# Altium PCB MainBoard.PcbDoc (part 1 of 2)
Units mm, origin at the board's own origin, x right, y up, seen from the top; angles counter-clockwise.
Board outline 160 x 80 mm, 2 copper layers (Top Layer, Bottom Layer); 152 components, 133 nets, 507 pads, 88 vias.
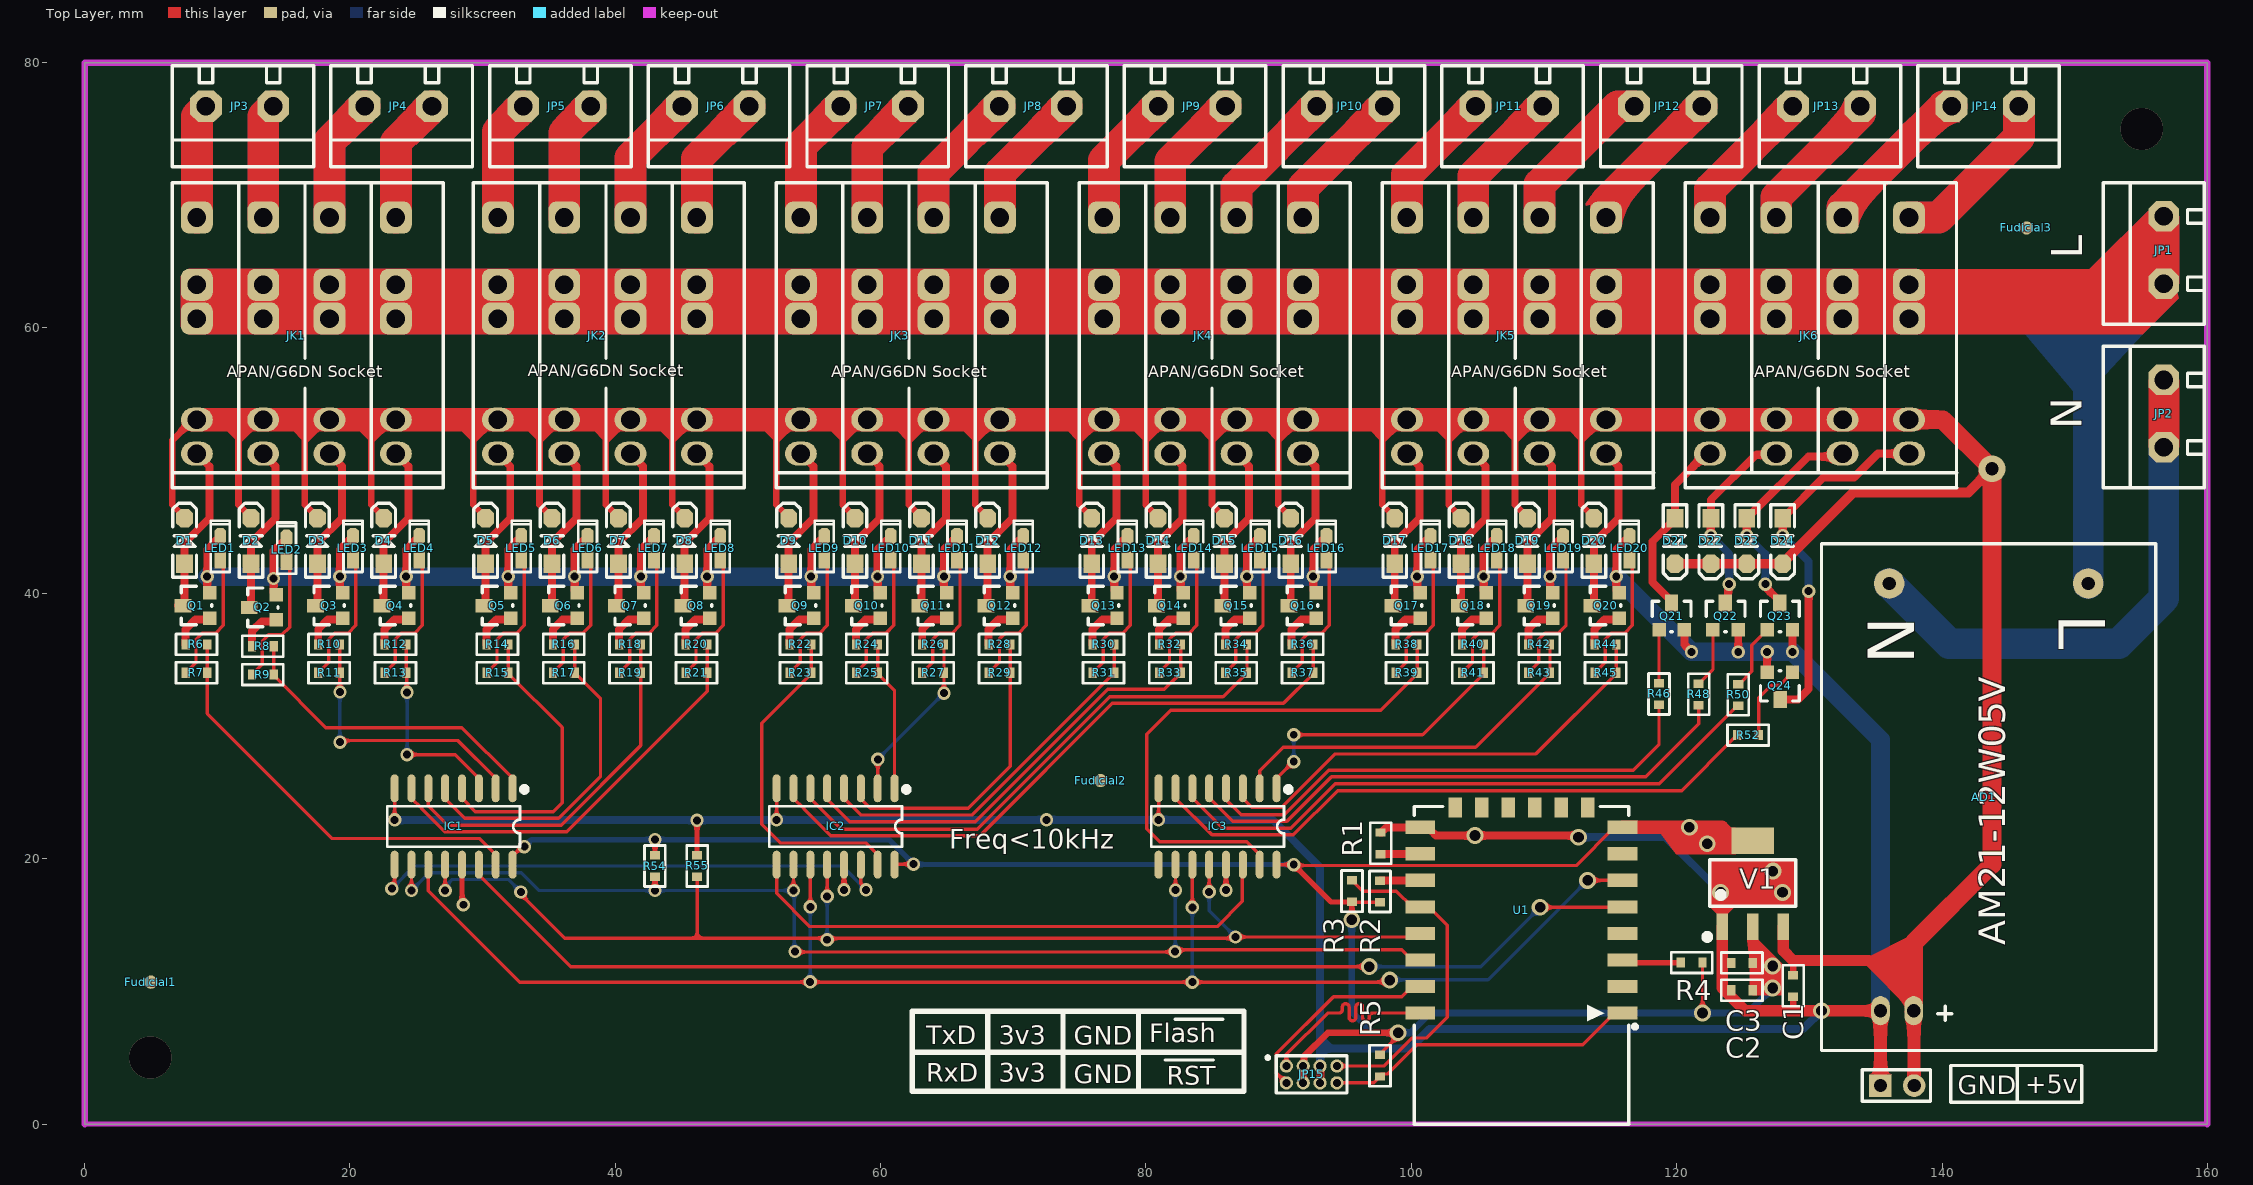
[diagram p0: Top Layer view]
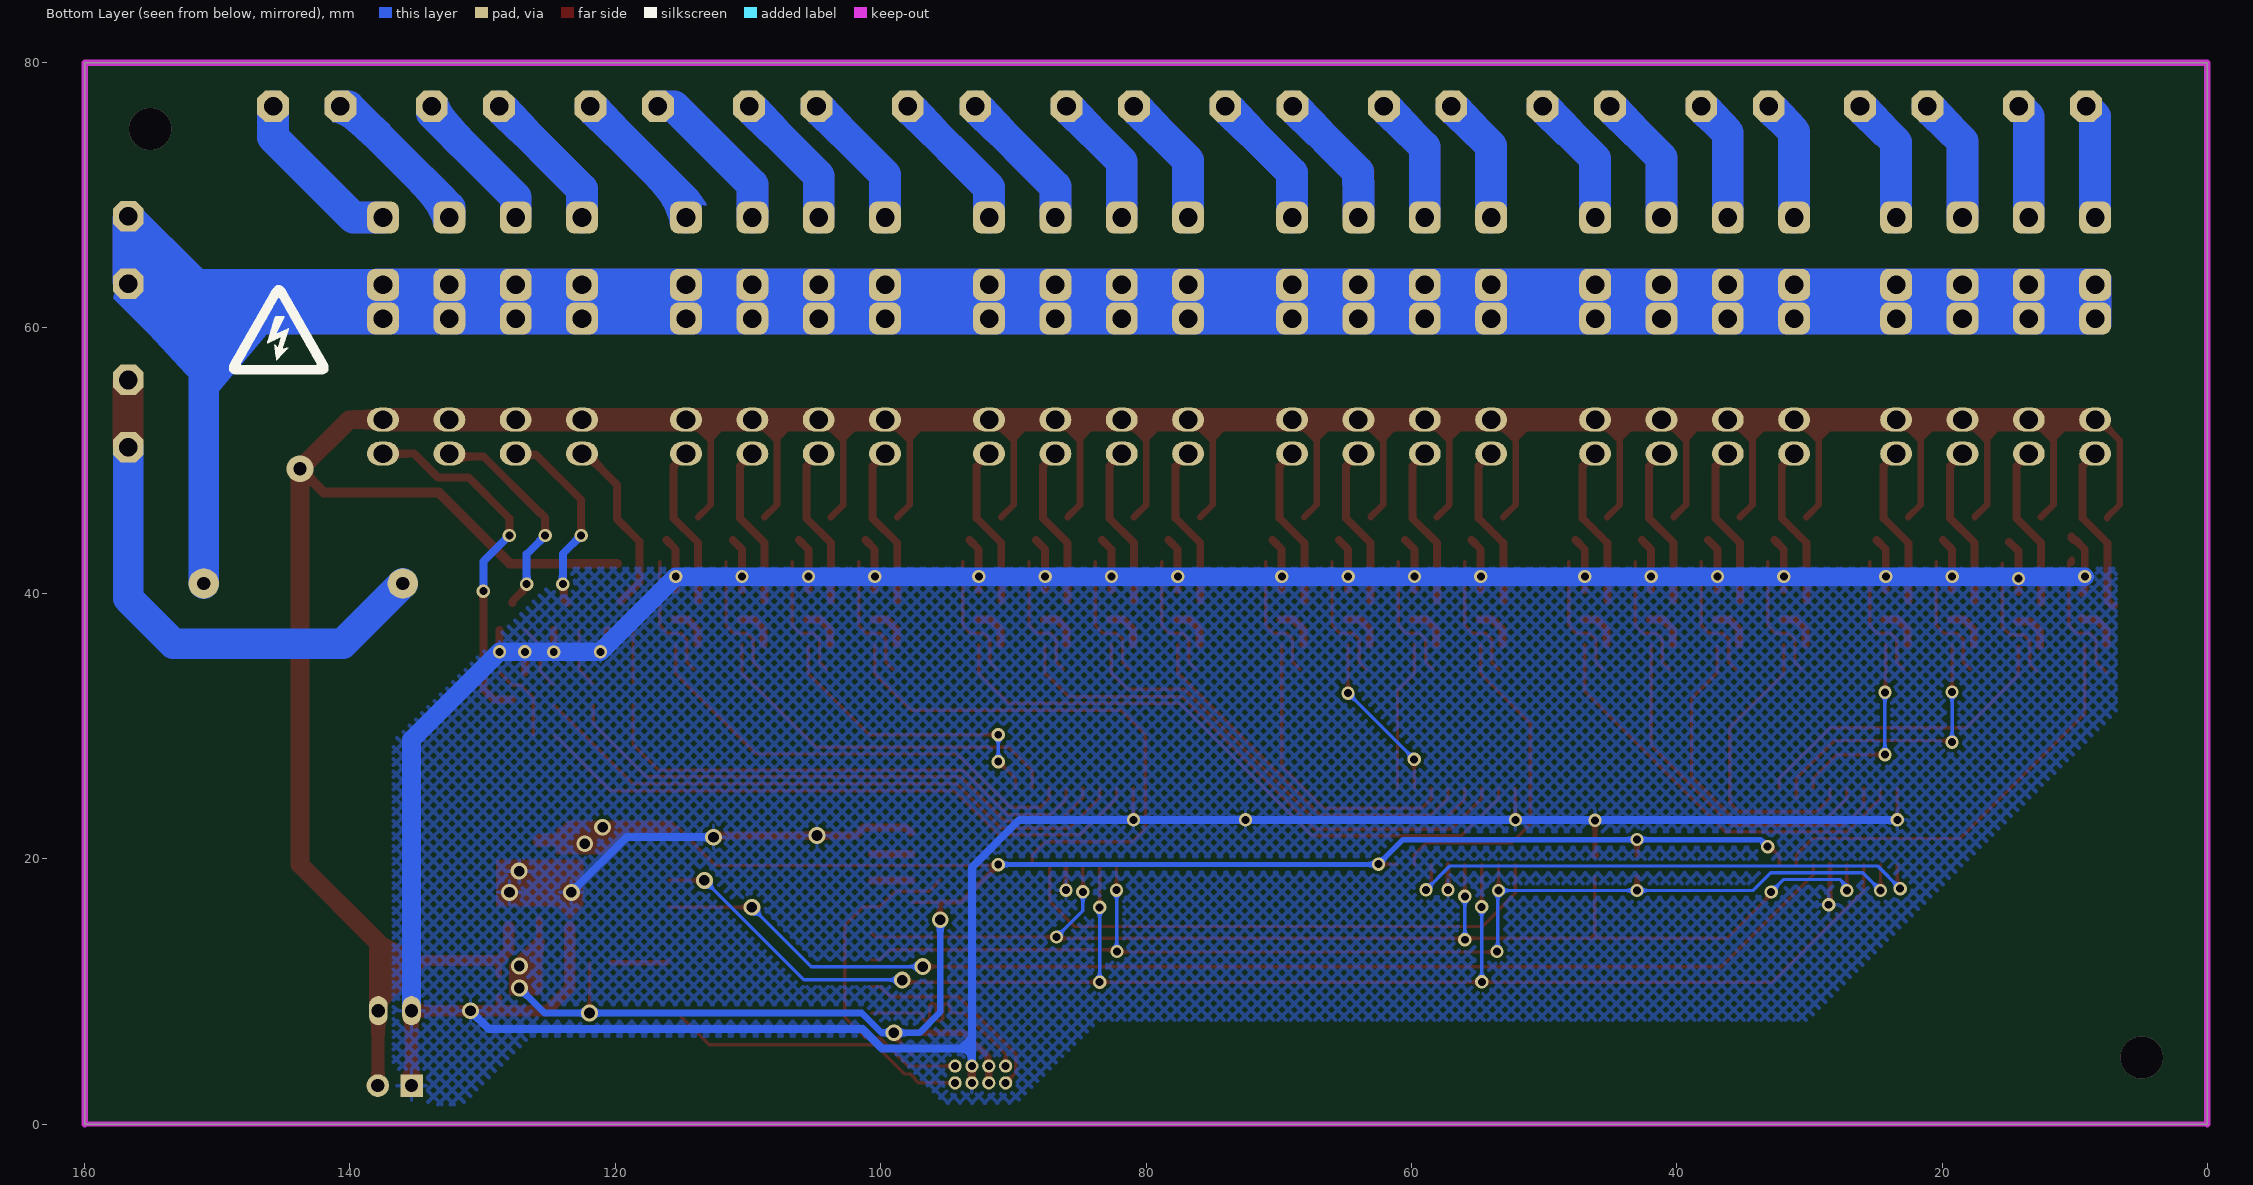
[diagram p1: Bottom Layer view, seen from below]

## Layer stack, top to bottom
Top Solder: solder mask 0.0102, Solder Resist, Dk 3.5
Top Layer: signal copper 0.0356
Dielectric 1: dielectric 0.32, FR-4, Dk 4.8
Bottom Layer: signal copper 0.0356
Bottom Solder: solder mask 0.0102, Solder Resist, Dk 3.5

## Board outline
0,0 0,80 160,80 160,0

## Design rules (kind name [scope] priority, off if disabled: settings)
Clearance [All] p1: gap=0.254 ignorepadtopadclearanceinfootprint=TRUE // 符合嘉立创规则
ComponentClearance [All] p1: gap=0.254 collisioncheckmode=3 verticalgap=0.254 showdistances=TRUE donotcheckwithout3dbody=TRUE
DiffPairsRouting [OnLayer('Top Layer')] p1: maxlimit=0.254 minlimit=0.254 mostfreqgap=0.254 toplayer_minwidth=0.381 toplayer_maxwidth=0.381 toplayer_prefwidth=0.381 bottomlayer_minwidth=0.381 bottomlayer_maxwidth=0.381 bottomlayer_prefwidth=0.381 maxuncoupledlength=12.7
DiffPairsRouting DiffPairsRouting_1 [OnLayer('Bottom Layer')] p2: maxlimit=0.254 minlimit=0.254 mostfreqgap=0.254 toplayer_minwidth=0.381 toplayer_maxwidth=0.381 toplayer_prefwidth=0.381 bottomlayer_minwidth=0.381 bottomlayer_maxwidth=0.381 bottomlayer_prefwidth=0.381 maxuncoupledlength=12.7
PolygonConnect [All] p1: connectstyle=Relief reliefconductorwidth=0.254 reliefentries=4 polygonreliefangle="90 Angle" airgapwidth=0.254
RoutingTopology [All] p1: topology=Daisy_Balanced
RoutingVias [All] p1: holewidth=0.5 width=1.27 viastyle="Through Hole" minholewidth=0.3 minwidth=0.5 maxholewidth=2 maxwidth=5
SolderMaskExpansion [All] p1: expansion=0.102 istentingtop=FALSE
UnRoutedNet [All] p1: checkbadconnections=TRUE
Width [All] p1: maxlimit=5 minlimit=0.254 preferedwidth=0.254 checkconnectedcopper=TRUE // 符合嘉立创要求
26 further rules are at their usual default settings.

## Components (designator, comment, footprint, x,y, rotation, side; value= is the part's Value field where it differs from the comment)
AD1 "AM21-12W05V" AM21-xWxxV 143.51,24.638 r270 top locked
C1 "10uF" 0603R 128.778,10.414 r270 top
C2 "10uF" 0603R 124.917,10.084 r180 top
C3 "10uF" 0603R 124.917,12.141 r180 top
D1 "1N4148" SOD-123 7.544,43.942 r90 top
D2 "1N4148" SOD-123 12.544,43.942 r90 top
D3 "1N4148" SOD-123 17.544,43.942 r90 top
D4 "1N4148" SOD-123 22.544,43.942 r90 top
D5 "1N4148" SOD-123 30.23,43.942 r90 top
D6 "1N4148" SOD-123 35.23,43.942 r90 top
D7 "1N4148" SOD-123 40.23,43.942 r90 top
D8 "1N4148" SOD-123 45.23,43.942 r90 top
D9 "1N4148" SOD-123 53.07,43.942 r90 top
D10 "1N4148" SOD-123 58.07,43.942 r90 top
D11 "1N4148" SOD-123 63.07,43.942 r90 top
D12 "1N4148" SOD-123 68.07,43.942 r90 top
D13 "1N4148" SOD-123 75.91,43.942 r90 top
D14 "1N4148" SOD-123 80.91,43.942 r90 top
D15 "1N4148" SOD-123 85.91,43.942 r90 top
D16 "1N4148" SOD-123 90.91,43.942 r90 top
D17 "1N4148" SOD-123 98.75,43.942 r90 top
D18 "1N4148" SOD-123 103.75,43.942 r90 top
D19 "1N4148" SOD-123 108.75,43.942 r90 top
D20 "1N4148" SOD-123 113.75,43.942 r90 top
D21 "1N4148" SOD-123 119.863,43.942 r270 top
D22 "1N4148" SOD-123 122.572,43.942 r270 top
D23 "1N4148" SOD-123 125.281,43.942 r270 top
D24 "1N4148" SOD-123 127.991,43.942 r270 top
Fudicial1 "SMT基准点" Fudicials#1 5.004,10.693 r90 top
Fudicial2 "SMT基准点" Fudicials#2 76.581,25.883 r90 top
Fudicial3 "SMT基准点" Fudicials#1 146.363,67.539 r90 top
IC1 "74HC595" SOP16_M 27.813,22.423 r270 top locked
IC2 "74HC595" SOP16_M 56.604,22.423 r270 top locked
IC3 "74HC595" SOP16_M 85.395,22.423 r270 top locked
JK1 "HF49-4P 5V" HF49F-XXXX-1H11(1H12)-4P焊座 16.764,59.379 r90 top locked
JK2 "HF49-4P 5V" HF49F-XXXX-1H11(1H12)-4P焊座 39.45,59.379 r90 top locked
JK3 "HF49-4P 5V" HF49F-XXXX-1H11(1H12)-4P焊座 62.29,59.379 r90 top
JK4 "HF49-4P 5V" HF49F-XXXX-1H11(1H12)-4P焊座 85.13,59.379 r90 top
JK5 "HF49-4P 5V" HF49F-XXXX-1H11(1H12)-4P焊座 107.97,59.379 r90 top
JK6 "HF49-4P 5V" HF49F-XXXX-1H11(1H12)-4P焊座 130.81,59.379 r90 top
JP1 "HDR-1X2" KF301-5.0-2P#1 156.718,68.409 r90 top
JP2 "HDR-1X2" KF301-5.0-2P#1 156.718,56.077 r90 top
JP3 "HDR-1X2" KF301-5.0-2P#2 9.144,76.708 r180 top locked
JP4 "HDR-1X2" KF301-5.0-2P#2 21.105,76.708 r180 top locked
JP5 "HDR-1X2" KF301-5.0-2P#2 33.066,76.708 r180 top locked
JP6 "HDR-1X2" KF301-5.0-2P#2 45.027,76.708 r180 top locked
JP7 "HDR-1X2" KF301-5.0-2P#2 56.988,76.708 r180 top locked
JP8 "HDR-1X2" KF301-5.0-2P#2 68.949,76.708 r180 top locked
JP9 "HDR-1X2" KF301-5.0-2P#2 80.911,76.708 r180 top locked
JP10 "HDR-1X2" KF301-5.0-2P#2 92.872,76.708 r180 top locked
JP11 "HDR-1X2" KF301-5.0-2P#2 104.833,76.708 r180 top locked
JP12 "HDR-1X2" KF301-5.0-2P#2 116.794,76.708 r180 top locked
JP13 "HDR-1X2" KF301-5.0-2P#2 128.755,76.708 r180 top locked
JP14 "HDR-1X2" KF301-5.0-2P#2 140.716,76.708 r180 top locked
JP15 "HDR-2X4" "1.27 2x4Pin" 92.485,3.734 r0 top
LED1 "红色" "LED 0603R" 10.236,43.409 r90 top
LED2 "红色" "LED 0603R" 15.236,43.273 r90 top
LED3 "红色" "LED 0603R" 20.236,43.409 r90 top
LED4 "红色" "LED 0603R" 25.236,43.409 r90 top
LED5 "红色" "LED 0603R" 32.922,43.409 r90 top
LED6 "红色" "LED 0603R" 37.922,43.409 r90 top
LED7 "红色" "LED 0603R" 42.922,43.409 r90 top
LED8 "红色" "LED 0603R" 47.922,43.409 r90 top
LED9 "红色" "LED 0603R" 55.762,43.409 r90 top
LED10 "红色" "LED 0603R" 60.762,43.409 r90 top
LED11 "红色" "LED 0603R" 65.762,43.409 r90 top
LED12 "红色" "LED 0603R" 70.762,43.409 r90 top
LED13 "红色" "LED 0603R" 78.602,43.409 r90 top
LED14 "红色" "LED 0603R" 83.602,43.409 r90 top
LED15 "红色" "LED 0603R" 88.602,43.409 r90 top
LED16 "红色" "LED 0603R" 93.602,43.409 r90 top
LED17 "红色" "LED 0603R" 101.442,43.409 r90 top
LED18 "红色" "LED 0603R" 106.442,43.409 r90 top
LED19 "红色" "LED 0603R" 111.442,43.409 r90 top
LED20 "红色" "LED 0603R" 116.442,43.409 r90 top
Q1 "AO3400" SOT23 9.465,38.001 r90 top
Q2 "AO3400" SOT23 14.465,37.866 r90 top
Q3 "AO3400" SOT23 19.465,38.001 r90 top
Q4 "AO3400" SOT23 24.465,38.001 r90 top
Q5 "AO3400" SOT23 32.151,38.001 r90 top
Q6 "AO3400" SOT23 37.151,38.001 r90 top
Q7 "AO3400" SOT23 42.151,38.001 r90 top
Q8 "AO3400" SOT23 47.151,38.001 r90 top
Q9 "AO3400" SOT23 54.991,38.001 r90 top
Q10 "AO3400" SOT23 59.991,38.001 r90 top
Q11 "AO3400" SOT23 64.991,38.001 r90 top
Q12 "AO3400" SOT23 69.991,38.001 r90 top
Q13 "AO3400" SOT23 77.831,38.001 r90 top
Q14 "AO3400" SOT23 82.831,38.001 r90 top
Q15 "AO3400" SOT23 87.831,38.001 r90 top
Q16 "AO3400" SOT23 92.831,38.001 r90 top
Q17 "AO3400" SOT23 100.671,38.001 r90 top
Q18 "AO3400" SOT23 105.671,38.001 r90 top
Q19 "AO3400" SOT23 110.671,38.001 r90 top
Q20 "AO3400" SOT23 115.671,38.001 r90 top
Q21 "AO3400" SOT23 118.543,37.22 r0 top
Q22 "AO3400" SOT23 122.609,37.22 r0 top
Q23 "AO3400" SOT23 126.698,37.22 r0 top
Q24 "AO3400" SOT23 128.851,34.052 r180 top
R1 "4.7K" 0603R 97.688,21.158 r90 top
R2 "4.7K" 0603R 97.638,17.526 r270 top
R3 "4.7K" 0603R 95.529,17.551 r270 top
R4 "4.7K" 0603R 121.133,12.162 r180 top
R5 "4.7K" 0603R 97.638,4.394 r90 top
R6 "470Ω" 0603R 8.433,36.144 r180 top
R7 "1K" 0603R 8.433,34.011 r180 top
R8 "470Ω" 0603R 13.433,36.009 r180 top
R9 "1K" 0603R 13.433,33.875 r180 top
R10 "470Ω" 0603R 18.433,36.144 r180 top
R11 "1K" 0603R 18.433,34.011 r180 top
R12 "470Ω" 0603R 23.433,36.144 r180 top
R13 "1K" 0603R 23.433,34.011 r180 top
R14 "470Ω" 0603R 31.119,36.144 r180 top
R15 "1K" 0603R 31.119,34.011 r180 top
R16 "470Ω" 0603R 36.119,36.144 r180 top
R17 "1K" 0603R 36.119,34.011 r180 top
R18 "470Ω" 0603R 41.119,36.144 r180 top
R19 "1K" 0603R 41.119,34.011 r180 top
R20 "470Ω" 0603R 46.119,36.144 r180 top
R21 "1K" 0603R 46.119,34.011 r180 top
R22 "470Ω" 0603R 53.959,36.144 r180 top
R23 "1K" 0603R 53.959,34.011 r180 top
R24 "470Ω" 0603R 58.959,36.144 r180 top
R25 "1K" 0603R 58.959,34.011 r180 top
R26 "470Ω" 0603R 63.959,36.144 r180 top
R27 "1K" 0603R 63.959,34.011 r180 top
R28 "470Ω" 0603R 68.959,36.144 r180 top
R29 "1K" 0603R 68.959,34.011 r180 top
R30 "470Ω" 0603R 76.799,36.144 r180 top
R31 "1K" 0603R 76.799,34.011 r180 top
R32 "470Ω" 0603R 81.799,36.144 r180 top
R33 "1K" 0603R 81.799,34.011 r180 top
R34 "470Ω" 0603R 86.799,36.144 r180 top
R35 "1K" 0603R 86.799,34.011 r180 top
R36 "470Ω" 0603R 91.799,36.144 r180 top
R37 "1K" 0603R 91.799,34.011 r180 top
R38 "470Ω" 0603R 99.639,36.144 r180 top
R39 "1K" 0603R 99.639,34.011 r180 top
R40 "470Ω" 0603R 104.639,36.144 r180 top
R41 "1K" 0603R 104.639,34.011 r180 top
R42 "470Ω" 0603R 109.639,36.144 r180 top
R43 "1K" 0603R 109.639,34.011 r180 top
R44 "470Ω" 0603R 114.639,36.144 r180 top
R45 "1K" 0603R 114.639,34.011 r180 top
R46 "470Ω" 0603R 118.667,32.41 r90 top
R48 "470Ω" 0603R 121.655,32.385 r90 top
R50 "470Ω" 0603R 124.642,32.347 r90 top
R52 "470Ω" 0603R 125.378,29.312 r0 top
R54 "1K" 0603R 42.988,19.446 r90 top
R55 "1K" 0603R 46.171,19.446 r90 top
U1 "ESP8266-12E" ESP_12E/F 116.301,8.363 r180 top locked
V1 "AMS1117-3V3" SOT223_N 125.73,18.161 r0 top locked

## Footprints (in the part's own frame and the unit in brackets; to place one, negate y for a bottom-side part, rotate by r counter-clockwise, add the part's x,y. Pads: shape width x height; smd on the part's side, far side on the other; paste and mask are expansions set on the pad)
"1.27 2x4Pin" [mm] "烧录接口"
  round 1 hole 0.6 mask+0.102: 1(-1.905,0.635) 2(-0.635,0.635) 3(0.635,0.635) 4(1.905,0.635) 5(-1.905,-0.635) 6(-0.635,-0.635) 7(0.635,-0.635) 8(1.905,-0.635)
  silkscreen extent -3.43,-1.4 2.67,1.4
0603R [mil]
  rect 25x30 smd: 1(-32,0) 2(32,0)
  silkscreen extent -61,-31 61,31, body extent -32,-16 31,16, height 18
AM21-xWxxV [mm] "亿佰特生产的AC-DC降压模块专用封装"
  round 2.3 hole 1: 1(-16.1,7.5) 2(-16.1,-7.5)
  oval 2.2x1.4 hole 1: 3(16.1,-5.65) 4(16.1,-8.15)
  silkscreen extent -19.1,-12.6 19.1,12.6, body extent -19.1,-12.6 19.1,12.6, height 23
ESP_12E/F [mm] "ESP-12 Wi-Fi Module by AI-Thinker"
  rect 2.25x1 smd: 1(0.375,0) 2(0.375,-2) 3(0.375,-4) 4(0.375,-6) 5(0.375,-8) 6(0.375,-10) 7(0.375,-12) 8(0.375,-14) 15(15.625,-14) 16(15.625,-12) 17(15.625,-10) 18(15.625,-8) 19(15.625,-6) 20(15.625,-4) 21(15.625,-2) 22(15.625,0)
  rect 1x1.5 smd: 9(3,-15.5) 10(5,-15.5) 11(7,-15.5) 12(9,-15.5) 13(11,-15.5) 14(13,-15.5)
  silkscreen extent -0.7,-15.57 16.08,8.37, body extent 0,-15.49 16,8.51, height 2.75
Fudicials#1 [mm] "SMT基准点"
  round 1 smd mask+1: ""(0,0)
Fudicials#2 [mm] "SMT基准点"
  round 1 smd paste-2539.97 mask+1: ""(0,0)
HF49F-XXXX-1H11(1H12)-4P焊座 [mm] "用于HF49F-XXXX-1H11(1H12)的焊座，兼容引出脚5.08mm和7.62mm"
  oval 1.8x2.4 hole 1.4: CN1_1(-8.853,-6.698) CN1_2(-6.293,-6.698) CN2_1(-8.853,-1.698) CN2_2(-6.293,-1.698) CN3_1(-8.853,3.302) CN3_2(-6.293,3.302) CN4_1(-8.853,8.302) CN4_2(-6.293,8.302)
  rrect50% 2.4x2.4 hole 1.4: CN1_3(8.947,-6.698) CN1_4(1.327,-6.698) CN1_4(3.867,-6.698) CN2_3(8.947,-1.698) CN2_4(1.327,-1.698) CN2_4(3.867,-1.698) CN3_3(8.947,3.302) CN3_4(1.327,3.302) CN3_4(3.867,3.302) CN4_3(8.947,8.302) CN4_4(1.327,8.302) CN4_4(3.867,8.302)
  Top Layer region: 4.502,7.102 0.692,7.102 0.692,9.502 4.502,9.502
  Top Layer region: 4.502,2.102 0.692,2.102 0.692,4.502 4.502,4.502
  Top Layer region: 4.502,-2.898 0.692,-2.898 0.692,-0.498 4.502,-0.498
  Top Layer region: 4.502,-7.898 0.692,-7.898 0.692,-5.498 4.502,-5.498
  Bottom Layer region: 4.502,7.102 0.692,7.102 0.692,9.502 4.502,9.502
  Bottom Layer region: 4.502,2.102 0.692,2.102 0.692,4.502 4.502,4.502
  Bottom Layer region: 4.502,-2.898 0.692,-2.898 0.692,-0.498 4.502,-0.498
  Bottom Layer region: 4.502,-7.898 0.692,-7.898 0.692,-5.498 4.502,-5.498
  silkscreen extent -11.43,-10.29 11.57,10.16, body extent -11.43,-10.27 11.57,10.23, height 15.5
KF301-5.0-2P#1 [mm] "可拼接端子/6A"
  oct 2.3x2.3 hole 1.4: 1(-5.08,0) 2(0,0)
  silkscreen extent -8.13,-3.05 2.54,4.57, body extent -7.95,-3 2.55,4.6, height 10.05
KF301-5.0-2P#2 [mm] "可拼接端子/6A"
  oct 2.4x2.4 hole 1.4: 1(-5.08,0) 2(0,0)
  silkscreen extent -8.13,-3.05 2.54,4.57, body extent -7.95,-3 2.55,4.6, height 10.05
"LED 0603R" [mil] "红色0603LED"
  rect 50x35 smd: 1(-35,0.26)
  oct 50x35 smd: 2(35,0.26)
  silkscreen extent -71,-28 81,28, body extent -31,-16 31,16, height 18
SOD-123 [mil] "2.7x1.6X1.1mm（长宽高，不包括引脚）"
  rect 55x50 smd: 1(-67.5,0)
  oct 55x50 smd: 2(67.5,0)
  silkscreen extent -108,-35 112,35, body extent -73,-31 73,31, height 48
SOP16_M [mm] "10.3*6.2*1.8mm（长宽高）"
  oval 2.1x0.6 smd: 1(-2.875,4.445) 2(-2.875,3.175) 3(-2.875,1.905) 4(-2.875,0.635) 5(-2.875,-0.635) 6(-2.875,-1.905) 7(-2.875,-3.175) 8(-2.875,-4.445) 9(2.875,-4.445) 10(2.875,-3.175) 11(2.875,-1.905) 12(2.875,-0.635) 13(2.875,0.635) 14(2.875,1.905) 15(2.875,3.175) 16(2.875,4.445)
  silkscreen extent -2.95,-5 1.52,5.49, body extent -3,-5 3,5, height 1.9
SOT23 [mil]
  rect 40x40 smd: 1(4.88,0.63) 3(79.88,0.63)
  rect 40x50 smd: 2(41.88,80.63)
  silkscreen extent -15,-4 100,86, body extent -15,-11 99,99, height 47
SOT223_N [mm] "6.4x7x1.6mm(长宽高)"
  rect 0.85x2 smd: 1(-2.3,-3.302) 2(0,-3.302) 3(2.3,-3.302)
  rect 3.2x2 smd: 2(0,3.175)
  silkscreen extent -3.63,-4.26 3.25,1.75, body extent -3.25,-3.51 3.25,3.51, height 1.65

## Part data
AD1: "亿佰特AM21-12W05V AC-DC降压模块"
C1 C2 C3: library part C, "无极性贴片电容", BOM名称=无极性贴片电容, 学习资源=www.ooocke.com, 版权归属=源创客
D1 D2 D3 D4 D5 D6 D7 D8 D9 D10 D11 D12 D13 D14 D15 D16 D17 D18 D19 D20 D21 D22 D23 D24: "开关二极管", BOM名称=肖特基二极管, 学习资源=www.ooocke.com, 属性=40V/3A, 版权归属=源创客
Fudicial1 Fudicial2 Fudicial3: library part Fudicial
IC1 IC2 IC3: "8位移位寄存器", BOM名称=8位移位寄存器, 学习资源=www.ooocke.com, 版权归属=源创客
JK1 JK2 JK3 JK4 JK5 JK6: library part HF49F-4P底座, "HF49F-4P底座(兼容1H11/1H12)", BOM名称=单路常开继电器, 学习资源=www.ooocke.com, 版权归属=源创客
JP1 JP2 JP3 JP4 JP5 JP6 JP7 JP8 JP9 JP10 JP11 JP12 JP13 JP14: library part "Header 2", "2P接插件", BOM名称=2P接插件, 学习资源=www.ooocke.com, 版权归属=源创客
JP15: library part Header2x4, "8P接插件", BOM名称=8P接插件, 学习资源=www.ooocke.com, 版权归属=源创客
LED1 LED2 LED3 LED4 LED5 LED6 LED7 LED8 LED9 LED10 LED11 LED12 LED13 LED14 LED15 LED16 LED17 LED18 LED19 LED20: library part LED-SMD, "贴片LED", BOM名称=贴片LED, 学习资源=www.ooocke.com, 版权归属=源创客
Q1 Q2 Q3 Q4 Q5 Q6 Q7 Q8 Q9 Q10 Q11 Q12 Q13 Q14 Q15 Q16 Q17 Q18 Q19 Q20 Q21 Q22 Q23 Q24: "N沟场效应管", BOM名称=N沟场效应管, 学习资源=www.ooocke.com, 版权归属=源创客
R1 R2 R3 R4 R5 R6 R7 R8 R9 R10 R11 R12 R13 R14 R15 R16 R17 R18 R19 R20 R21 R22 R23 R24 R25 R26 R27 R28 R29 R30 R31 R32 R33 R34 R35 R36 R37 R38 R39 R40 R41 R42 R43 R44 R45 R46 R48 R50 R52 R54 R55: library part R, "贴片电阻", BOM名称=贴片电阻, 学习资源=www.ooocke.com, 版权归属=源创客
U1: library part ESP8266-12E/F, "串口 WIFI模块，ESP-12E", BOM名称=WIFI模块, 学习资源=www.ooocke.com, 版权归属=源创客
V1: library part AMS1117, "三端稳压芯片", BOM名称=稳压芯片, 学习资源=www.ooocke.com, 版权归属=源创客

## Free pads (board coordinates)
  rect 1.7x1.7 hole 1: 1(135.357,2.896)
  round 1.7 hole 1: 2(137.897,2.896)

## Via types
v1: diameter 1, hole 0.6, Top Layer to Bottom Layer, tented both sides, 68 vias
v2: diameter 1.27, hole 0.8, Top Layer to Bottom Layer, tented both sides, 17 vias
v3: diameter 3.175, hole 3.175, Top Layer to Bottom Layer, tented both sides, 2 vias
v4: diameter 2, hole 1, Top Layer to Bottom Layer, tented both sides, 1 vias

## Nets (pads, with @x,y where several pads share a name; then routed paths per layer and width w, separated by ;. In a path a pad name is that pad's centre, name@x,y a point inside that pad or via, vN(x,y) a via of type N, cw(c..) or ccw(c..) an arc to the next point about the centre after c; other vN are vias at no path point)
3v3: C2.1 C3.1 IC1.16 IC2.16 IC3.16 JP15.2 JP15.6 R2.2 R3.2 R4.1 R5.2 R54.2 U1.8 V1.2 | length 171
  Top Layer w0.254: IC1.16@32.258,19.548 32.258,20.205 32.953,20.899 v1(33.147,20.899) ; IC2.16@61.049,19.548 61.084,19.583 v1(62.484,19.583) ; IC3.16@89.84,19.548 v1(91.135,19.548) 91.201,19.482 112.42,19.482 115.301,22.363 U1.8@115.926,22.363 ; R3.2@95.504,16.713 95.517,16.726 97.625,16.726 R2.2@97.638,16.713 ; R5.2@97.638,5.258 97.701,5.258 97.892,5.448 97.892,5.512 v2@98.792,6.413 ; v2(121.945,8.363) R4.1@121.945,12.162
  Top Layer w0.4: R54.2@42.988,20.258 v1(42.988,21.436) ; v1@91.201,19.482 93.958,16.726 R3.2@95.517,16.726 ; v2(95.504,15.392) 95.517,15.405 95.517,16.7 R3.2@95.504,16.713
  Top Layer w0.5: JP15.6@91.85,3.099 JP15.2@91.85,4.369 91.906,4.425 91.906,5.08 93.693,6.868 v2@98.67,6.868 ; C2.1@125.73,10.084 C3.1@125.73,12.141 V1.2@125.73,14.859 V1.2@125.73,15.434
  Top Layer w1: U1.8@115.926,22.363 v2(120.954,22.363) 123.407,22.363 124.363,21.407 125.659,21.407 V1.2@125.73,21.336
  Bottom Layer w0.4: v1(33.147,20.899) v1(33.147,20.899) 33.681,21.436 v1(42.988,21.436) 60.632,21.436 v1(62.484,19.583) 62.502,19.566 91.118,19.566 v1(91.135,19.548)
  Bottom Layer w0.5: v2(95.504,15.392) 95.504,8.448 97.084,6.868 98.986,6.868 v2(99.001,6.883) ; v2@99.014,6.882 99.946,6.882 101.427,8.363 v2(121.945,8.363) 125.338,8.363 v2(127.229,10.254)
  other v2: 127.229,11.913 122.301,21.118
595_DIN: IC1.14 U1.5 | length 91.7
  Top Layer w0.254: IC1.14@29.718,19.548 29.718,18.798 36.653,11.863 v2(96.83,11.863) ; v2(109.703,16.332) 115.895,16.332 U1.5@115.926,16.363
  Bottom Layer w0.254: v2(96.83,11.863) 105.234,11.863 v2(109.703,16.332)
595_RCK: IC1.12 IC2.12 IC3.12 R55.1 U1.19 | length 94.6
  Top Layer w0.254: v1(27.178,17.597) IC1.12@27.178,19.548 ; v1@32.813,17.399 36.202,14.01 46.171,14.01 ; R55.1@46.171,18.633 46.171,14.01 ; v1(55.969,17.158) IC2.12@55.969,19.548 ; v1(84.76,17.501) IC3.12@84.76,19.548 ; U1.19@100.676,14.363 100.409,14.097 v1(86.741,14.097) 86.635,13.991 56.075,13.991 v1(55.969,13.886) 55.845,14.01 46.171,14.01
  Bottom Layer w0.254: v1(27.178,17.597) 27.321,17.74 27.321,18.05 27.701,18.43 31.927,18.43 v1(32.876,17.481) ; v1(55.969,13.886) v1(55.969,17.158) ; v1(84.76,17.501) 84.76,16.078 v1(86.741,14.097)
595_RST: IC1.10 IC2.10 IC3.10 R54.1 U1.20 | length 93.7
  Top Layer w0.254: v1(24.638,17.597) IC1.10@24.638,19.548 ; v1(53.429,17.597) IC2.10@53.429,19.548 ; v1(53.543,12.997) 53.577,12.963 v1@82.16,12.963 ; v1(82.194,12.997) v1@82.16,12.963 ; v1(82.22,17.62) IC3.10@82.22,19.548 ; U1.20@100.676,12.363 100.051,12.363 99.282,13.132 82.599,13.132 82.396,12.929 82.194,12.929 v1@82.16,12.963
  Top Layer w0.4: v1(42.988,17.597) R54.1@42.988,18.633
  Bottom Layer w0.254: v1(24.638,17.597) 25.978,18.938 32.918,18.938 34.258,17.597 v1(42.988,17.597) v1(53.429,17.597) 53.486,17.54 53.486,13.054 v1(53.543,12.997) ; v1(82.194,12.997) 82.207,13.009 82.207,17.607 v1(82.22,17.62)
595_SCK: IC1.11 IC2.11 IC3.11 U1.6 | length 115.9
  Top Layer w0.254: IC1.11@25.908,19.548 25.908,17.577 32.791,10.693 v1(83.49,10.693) 98.22,10.693 v2(98.374,10.847) ; IC2.11@54.699,19.548 v1(54.699,16.37) v1@54.792,16.277 ; v1@83.434,16.277 v1(83.49,16.332) IC3.11@83.49,19.548 ; v2(113.281,18.363) v2(113.281,18.363) U1.6@115.926,18.363
  Bottom Layer w0.254: v1(54.686,10.719) 54.693,10.725 54.693,16.364 v1(54.699,16.37) ; v1(83.49,10.693) v1(83.49,16.332) ; v2(98.374,10.847) 98.39,10.863 105.781,10.863 v2(113.281,18.363)
+5: AD1.3 C1.1 D1.2 D2.2 D3.2 D4.2 D5.2 D6.2 D7.2 D8.2 D9.2 D10.2 D11.2 D12.2 D13.2 D14.2 D15.2 D16.2 D17.2 D18.2 D19.2 D20.2 D21.2 D22.2 D23.2 D24.2 JK1.CN1_2 JK1.CN2_2 JK1.CN3_2 JK1.CN4_2 JK2.CN1_2 JK2.CN2_2 JK2.CN3_2 JK2.CN4_2 JK3.CN1_2 JK3.CN2_2 JK3.CN3_2 JK3.CN4_2 JK4.CN1_2 JK4.CN2_2 JK4.CN3_2 JK4.CN4_2 JK5.CN1_2 JK5.CN2_2 JK5.CN3_2 JK5.CN4_2 JK6.CN1_2 JK6.CN2_2 JK6.CN3_2 JK6.CN4_2 pad.2 V1.3 | length 266.7
  Top Layer w0.5: D1.2@7.544,45.657 7.544,45.739 6.604,46.679 6.604,51.528 8.162,53.086 JK1.CN4_2@8.462,53.086 JK1.CN4_2@8.762,53.086 ; D2.2@12.544,45.739 11.604,46.679 11.604,51.528 JK1.CN3_2@13.162,53.086 ; D3.2@17.544,45.739 16.604,46.679 16.604,51.528 JK1.CN2_2@18.162,53.086 ; D4.2@22.544,45.739 21.604,46.679 21.604,51.528 JK1.CN1_2@23.162,53.086 ; D5.2@30.23,45.739 29.29,46.679 29.29,51.528 JK2.CN4_2@30.848,53.086 ; D6.2@35.23,45.739 34.29,46.679 34.29,51.528 JK2.CN3_2@35.848,53.086 ; D7.2@40.23,45.739 39.29,46.679 39.29,51.528 JK2.CN2_2@40.848,53.086 ; D8.2@45.23,45.739 44.29,46.679 44.29,51.528 JK2.CN1_2@45.848,53.086 ; D9.2@53.07,45.739 52.13,46.679 52.13,51.528 JK3.CN4_2@53.688,53.086 ; D10.2@58.07,45.739 57.13,46.679 57.13,51.528 JK3.CN3_2@58.688,53.086 ; D11.2@63.07,45.739 62.13,46.679 62.13,51.528 JK3.CN2_2@63.688,53.086 ; D12.2@68.07,45.739 67.13,46.679 67.13,51.528 JK3.CN1_2@68.688,53.086 ; D13.2@75.91,45.739 74.97,46.679 74.97,51.528 JK4.CN4_2@76.528,53.086 ; D14.2@80.91,45.739 79.97,46.679 79.97,51.528 JK4.CN3_2@81.528,53.086 ; D15.2@85.91,45.739 84.97,46.679 84.97,51.528 JK4.CN2_2@86.528,53.086 ; D16.2@90.91,45.739 89.97,46.679 89.97,51.528 JK4.CN1_2@91.528,53.086 ; D17.2@98.75,45.739 97.81,46.679 97.81,51.528 JK5.CN4_2@99.368,53.086 ; D18.2@103.75,45.739 102.81,46.679 102.81,51.528 JK5.CN3_2@104.368,53.086 ; D19.2@108.75,45.739 107.81,46.679 107.81,51.528 JK5.CN2_2@109.368,53.086 ; D20.2@113.75,45.739 112.81,46.679 112.81,51.528 JK5.CN1_2@114.368,53.086 ; JK6.CN4_2@122.208,53.086 JK6.CN4_2@122.508,53.086 ; D24.2@127.991,42.227 D24.2@127.991,42.291 ; C1.1@128.778,11.227 128.778,12.319 ; AD1.3@137.86,8.538 AD1.3@137.878,8.52 ; pad.2@137.878,2.914 pad.2@137.897,2.896
  Top Layer w0.75: D21.2@119.863,42.227 D22.2@122.572,42.227 D23.2@125.281,42.227 D24.2@127.991,42.227 ; D24.2@127.991,42.291 133.299,47.6 141.981,47.6 v4(143.764,49.383)
  Top Layer w0.85: V1.3@128.03,14.859 128.03,13.067 128.778,12.319 134.479,12.319 137.86,8.938 AD1.3@137.86,8.538
  Top Layer w1: pad.2@137.878,2.914 AD1.3@137.878,8.52
  Top Layer w1.4: JK6.CN1_2@137.508,53.086 140.061,53.086 v4(143.764,49.383) 143.764,19.558 137.86,13.654 AD1.3@137.86,8.938
AC_L: AD1.1 JK1.CN1_4 JK1.CN2_4 JK1.CN3_4 JK1.CN4_4 JK2.CN1_4 JK2.CN2_4 JK2.CN3_4 JK2.CN4_4 JK3.CN1_4 JK3.CN2_4 JK3.CN3_4 JK3.CN4_4 JK4.CN1_4 JK4.CN2_4 JK4.CN3_4 JK4.CN4_4 JK5.CN1_4 JK5.CN2_4 JK5.CN3_4 JK5.CN4_4 JK6.CN1_4 JK6.CN2_4 JK6.CN3_4 JK6.CN4_4 JP1.1 JP1.2 | length 32.8
  Top Layer w0.508: 155.568,60.699 155.568,63.329 155.568,67.259 JP1.2@156.718,68.409
  Bottom Layer w0.381: JP1.1@156.573,63.184 JP1.1@156.718,63.329
  Bottom Layer w1.067: 151.01,58.667 JP1.1@155.568,63.225
  Bottom Layer w2.3: AD1.1@151.01,40.738 151.01,58.667
AC_N: AD1.2 JP2.1 JP2.2 | length 35.4
  Bottom Layer w2.3: AD1.2@136.01,40.738 140.553,36.195 153.298,36.195 156.718,39.615 JP2.1@156.718,50.997
Flash: JP15.4 R3.1 U1.18 | length 25.4
  Top Layer w0.254: JP15.4@94.39,4.369 97.923,4.369 100.031,6.477 101.124,6.477 102.692,8.045 102.692,14.972 101.674,15.99 101.301,16.363 U1.18@100.676,16.363 100.051,16.363 98.864,17.55 96.343,17.55 95.783,18.11 95.783,18.174 95.593,18.364 R3.1@95.529,18.364
GND: AD1.4 C1.2 C2.2 C3.2 IC1.8 IC1.13 IC2.8 IC2.13 IC3.8 IC3.13 JP15.3 JP15.7 LED1.2 LED2.2 LED3.2 LED4.2 LED5.2 LED6.2 LED7.2 LED8.2 LED9.2 LED10.2 LED11.2 LED12.2 LED13.2 LED14.2 LED15.2 LED16.2 LED17.2 LED18.2 LED19.2 LED20.2 pad.1 Q1.3 Q2.3 Q3.3 Q4.3 Q5.3 Q6.3 Q7.3 Q8.3 Q9.3 Q10.3 Q11.3 Q12.3 Q13.3 Q14.3 Q15.3 Q16.3 Q17.3 Q18.3 Q19.3 Q20.3 Q21.3 Q22.3 Q23.3 Q24.3 R1.2 R55.2 U1.15 V1.1 | length 434.7
  Top Layer w0.254: v1@23.368,23.19 IC1.8@23.368,25.298 ; v1@52.159,23.19 IC2.8@52.159,25.298 ; v1@80.95,23.19 IC3.8@80.95,25.298
  Top Layer w0.4: IC1.13@28.448,19.548 28.448,16.627 v1(28.55,16.525) ; R55.2@46.161,20.268 v1@46.161,22.876 ; v1(57.239,17.653) IC2.13@57.239,19.548 ; v1(86.03,17.628) IC3.13@86.03,19.548 IC3.13@86.03,19.579
  Top Layer w0.5: 128.778,8.538 C1.2@128.778,9.601
  Top Layer w0.6: Q1.3@9.449,40.03 9.246,40.234 9.246,43.314 9.941,44.009 10.085,44.009 10.23,44.154 LED1.2@10.23,44.298 ; Q2.3@14.246,40.098 14.246,43.178 LED2.2@14.941,43.874 ; Q3.3@19.246,40.234 19.246,43.314 LED3.2@19.941,44.009 ; Q4.3@24.246,40.234 24.246,43.314 LED4.2@24.941,44.009 ; Q5.3@31.932,40.234 31.932,43.314 LED5.2@32.627,44.009 ; Q6.3@36.932,40.234 36.932,43.314 LED6.2@37.627,44.009 ; Q7.3@41.932,40.234 41.932,43.314 LED7.2@42.627,44.009 ; v1(46.152,22.885) v1@46.161,22.876 ; R55.2@46.161,20.268 R55.2@46.171,20.259 ; Q8.3@46.932,40.234 46.932,43.314 LED8.2@47.627,44.009 ; Q9.3@54.772,40.234 54.772,43.314 LED9.2@55.467,44.009 ; Q10.3@59.772,40.234 59.772,43.314 LED10.2@60.467,44.009 ; Q11.3@64.772,40.234 64.772,43.314 LED11.2@65.467,44.009 ; Q12.3@69.772,40.234 69.772,43.314 LED12.2@70.467,44.009 ; Q13.3@77.612,40.234 77.612,43.314 LED13.2@78.307,44.009 ; Q14.3@82.612,40.234 82.612,43.314 LED14.2@83.307,44.009 ; Q15.3@87.612,40.234 87.612,43.314 LED15.2@88.307,44.009 ; Q16.3@92.612,40.234 92.612,43.314 LED16.2@93.307,44.009 ; JP15.7@93.12,3.099 JP15.3@93.12,4.369 ; R1.2@97.688,21.971 97.752,21.971 97.769,21.989 97.769,22.012 98.121,22.363 U1.15@100.676,22.363 101.301,22.363 101.501,22.163 101.501,22.095 101.852,21.744 v2(104.801,21.744) 112.47,21.744 v2(112.598,21.615) ; Q17.3@100.452,40.234 100.452,43.314 LED17.2@101.147,44.009 ; Q18.3@105.452,40.234 105.452,43.314 LED18.2@106.147,44.009 ; Q19.3@110.452,40.234 110.452,43.314 LED19.2@111.147,44.009 ; Q20.3@115.452,40.234 115.452,43.314 LED20.2@116.147,44.009 ; Q21.3@120.572,37.236 120.572,36.129 v1(121.116,35.585) ; v1(124.638,35.582) Q22.3@124.638,37.236 ; Q24.3@126.822,34.036 v1(126.822,35.585) ; v1(128.727,35.585) Q23.3@128.727,37.236
  Top Layer w0.85: V1.1@123.43,14.859 123.43,10.254 125.146,8.538 128.778,8.538 v2(130.91,8.538) AD1.4@135.36,8.538 AD1.4@135.358,8.536 ; pad.1@135.357,2.896 pad.1@135.358,2.897
  Top Layer w1: pad.1@135.358,2.897 AD1.4@135.358,8.536
  Bottom Layer w0.6: v1(23.368,22.923) 23.387,22.904 46.133,22.904 v1(46.152,22.885) 46.171,22.904 52.14,22.904 v1(52.159,22.923) v1(72.502,22.923) v1(80.95,22.923) 89.548,22.923 93.12,19.352 93.12,5.694 ; JP15.3@93.12,4.369 93.12,5.694 ; v2(112.598,21.615) 119.157,21.615 v2(123.311,17.461) 123.346,17.426 v2@123.366,17.426 ; v2(130.91,8.538) 129.525,7.153 101.362,7.153 99.903,5.694 93.12,5.694
  Bottom Layer w1.4: v1(9.236,41.259) v1(19.236,41.259) v1(24.236,41.259) v1(31.922,41.259) v1(36.922,41.259) v1(41.922,41.259) v1(46.922,41.259) v1(54.762,41.259) v1(59.762,41.259) v1(64.762,41.259) v1(69.762,41.259) v1(77.602,41.259) v1(82.602,41.259) v1(87.602,41.259) v1(92.602,41.259) v1(100.442,41.259) v1(105.442,41.259) v1(110.442,41.259) v1(115.442,41.259) v1(121.116,35.585) 121.12,35.582 v1(124.638,35.582) 124.642,35.585 v1(126.822,35.585) v1(128.727,35.585) 135.36,28.953 AD1.4@135.36,8.538
  other v1: 14.236,41.123
  other v2: 127.975,17.461 127.25,19.06
NetD1_1: D1.1 JK1.CN4_1 Q1.2 | length 12.9
  Top Layer w0.6: Q1.2@7.044,39.065 7.171,39.065 7.544,39.438 D1.1@7.544,42.227 7.544,43.802 9.398,45.657 9.398,49.575 8.462,50.511 JK1.CN4_1@8.462,50.526
NetD2_1: D2.1 JK1.CN3_1 Q2.2 | length 12.2
  Top Layer w0.6: Q2.2@12.544,39.303 D2.1@12.544,42.092 ; D2.1@12.544,42.227 12.544,43.802 14.398,45.657 14.398,49.575 JK1.CN3_1@13.462,50.511
NetD3_1: D3.1 JK1.CN2_1 Q3.2 | length 12.2
  Top Layer w0.6: Q3.2@17.544,39.438 D3.1@17.544,42.227 17.544,43.802 19.398,45.657 19.398,49.575 JK1.CN2_1@18.462,50.511
NetD4_1: D4.1 JK1.CN1_1 Q4.2 | length 12.2
  Top Layer w0.6: Q4.2@22.544,39.438 D4.1@22.544,42.227 22.544,43.802 24.398,45.657 24.398,49.575 JK1.CN1_1@23.462,50.511
NetD5_1: D5.1 JK2.CN4_1 Q5.2 | length 12.2
  Top Layer w0.6: Q5.2@30.23,39.438 D5.1@30.23,42.227 30.23,43.802 32.084,45.657 32.084,49.575 JK2.CN4_1@31.148,50.511
NetD6_1: D6.1 JK2.CN3_1 Q6.2 | length 12.2
  Top Layer w0.6: Q6.2@35.23,39.438 D6.1@35.23,42.227 35.23,43.802 37.084,45.657 37.084,49.575 JK2.CN3_1@36.148,50.511
NetD7_1: D7.1 JK2.CN2_1 Q7.2 | length 12.2
  Top Layer w0.6: Q7.2@40.23,39.438 D7.1@40.23,42.227 40.23,43.802 42.084,45.657 42.084,49.575 JK2.CN2_1@41.148,50.511
NetD8_1: D8.1 JK2.CN1_1 Q8.2 | length 12.2
  Top Layer w0.6: Q8.2@45.23,39.438 D8.1@45.23,42.227 45.23,43.802 47.084,45.657 47.084,49.575 JK2.CN1_1@46.148,50.511
NetD9_1: D9.1 JK3.CN4_1 Q9.2 | length 12.2
  Top Layer w0.6: Q9.2@53.07,39.438 D9.1@53.07,42.227 53.07,43.802 54.924,45.657 54.924,49.575 JK3.CN4_1@53.988,50.511
NetD10_1: D10.1 JK3.CN3_1 Q10.2 | length 12.2
  Top Layer w0.6: Q10.2@58.07,39.438 D10.1@58.07,42.227 58.07,43.802 59.924,45.657 59.924,49.575 JK3.CN3_1@58.988,50.511
NetD11_1: D11.1 JK3.CN2_1 Q11.2 | length 12.2
  Top Layer w0.6: Q11.2@63.07,39.438 D11.1@63.07,42.227 63.07,43.802 64.924,45.657 64.924,49.575 JK3.CN2_1@63.988,50.511
NetD12_1: D12.1 JK3.CN1_1 Q12.2 | length 12.2
  Top Layer w0.6: Q12.2@68.07,39.438 D12.1@68.07,42.227 68.07,43.802 69.924,45.657 69.924,49.575 JK3.CN1_1@68.988,50.511
NetD13_1: D13.1 JK4.CN4_1 Q13.2 | length 12.2
  Top Layer w0.6: Q13.2@75.91,39.438 D13.1@75.91,42.227 75.91,43.802 77.764,45.657 77.764,49.575 JK4.CN4_1@76.828,50.511
NetD14_1: D14.1 JK4.CN3_1 Q14.2 | length 12.2
  Top Layer w0.6: Q14.2@80.91,39.438 D14.1@80.91,42.227 80.91,43.802 82.764,45.657 82.764,49.575 JK4.CN3_1@81.828,50.511
NetD15_1: D15.1 JK4.CN2_1 Q15.2 | length 12.2
  Top Layer w0.6: Q15.2@85.91,39.438 D15.1@85.91,42.227 85.91,43.802 87.764,45.657 87.764,49.575 JK4.CN2_1@86.828,50.511
NetD16_1: D16.1 JK4.CN1_1 Q16.2 | length 12.2
  Top Layer w0.6: Q16.2@90.91,39.438 D16.1@90.91,42.227 90.91,43.802 92.764,45.657 92.764,49.575 JK4.CN1_1@91.828,50.511
NetD17_1: D17.1 JK5.CN4_1 Q17.2 | length 12.2
  Top Layer w0.6: Q17.2@98.75,39.438 D17.1@98.75,42.227 98.75,43.802 100.604,45.657 100.604,49.575 JK5.CN4_1@99.668,50.511
NetD18_1: D18.1 JK5.CN3_1 Q18.2 | length 12.2
  Top Layer w0.6: Q18.2@103.75,39.438 D18.1@103.75,42.227 103.75,43.802 105.604,45.657 105.604,49.575 JK5.CN3_1@104.668,50.511